# Allegro board meta_carrier_lay_rev1.brd (continued)
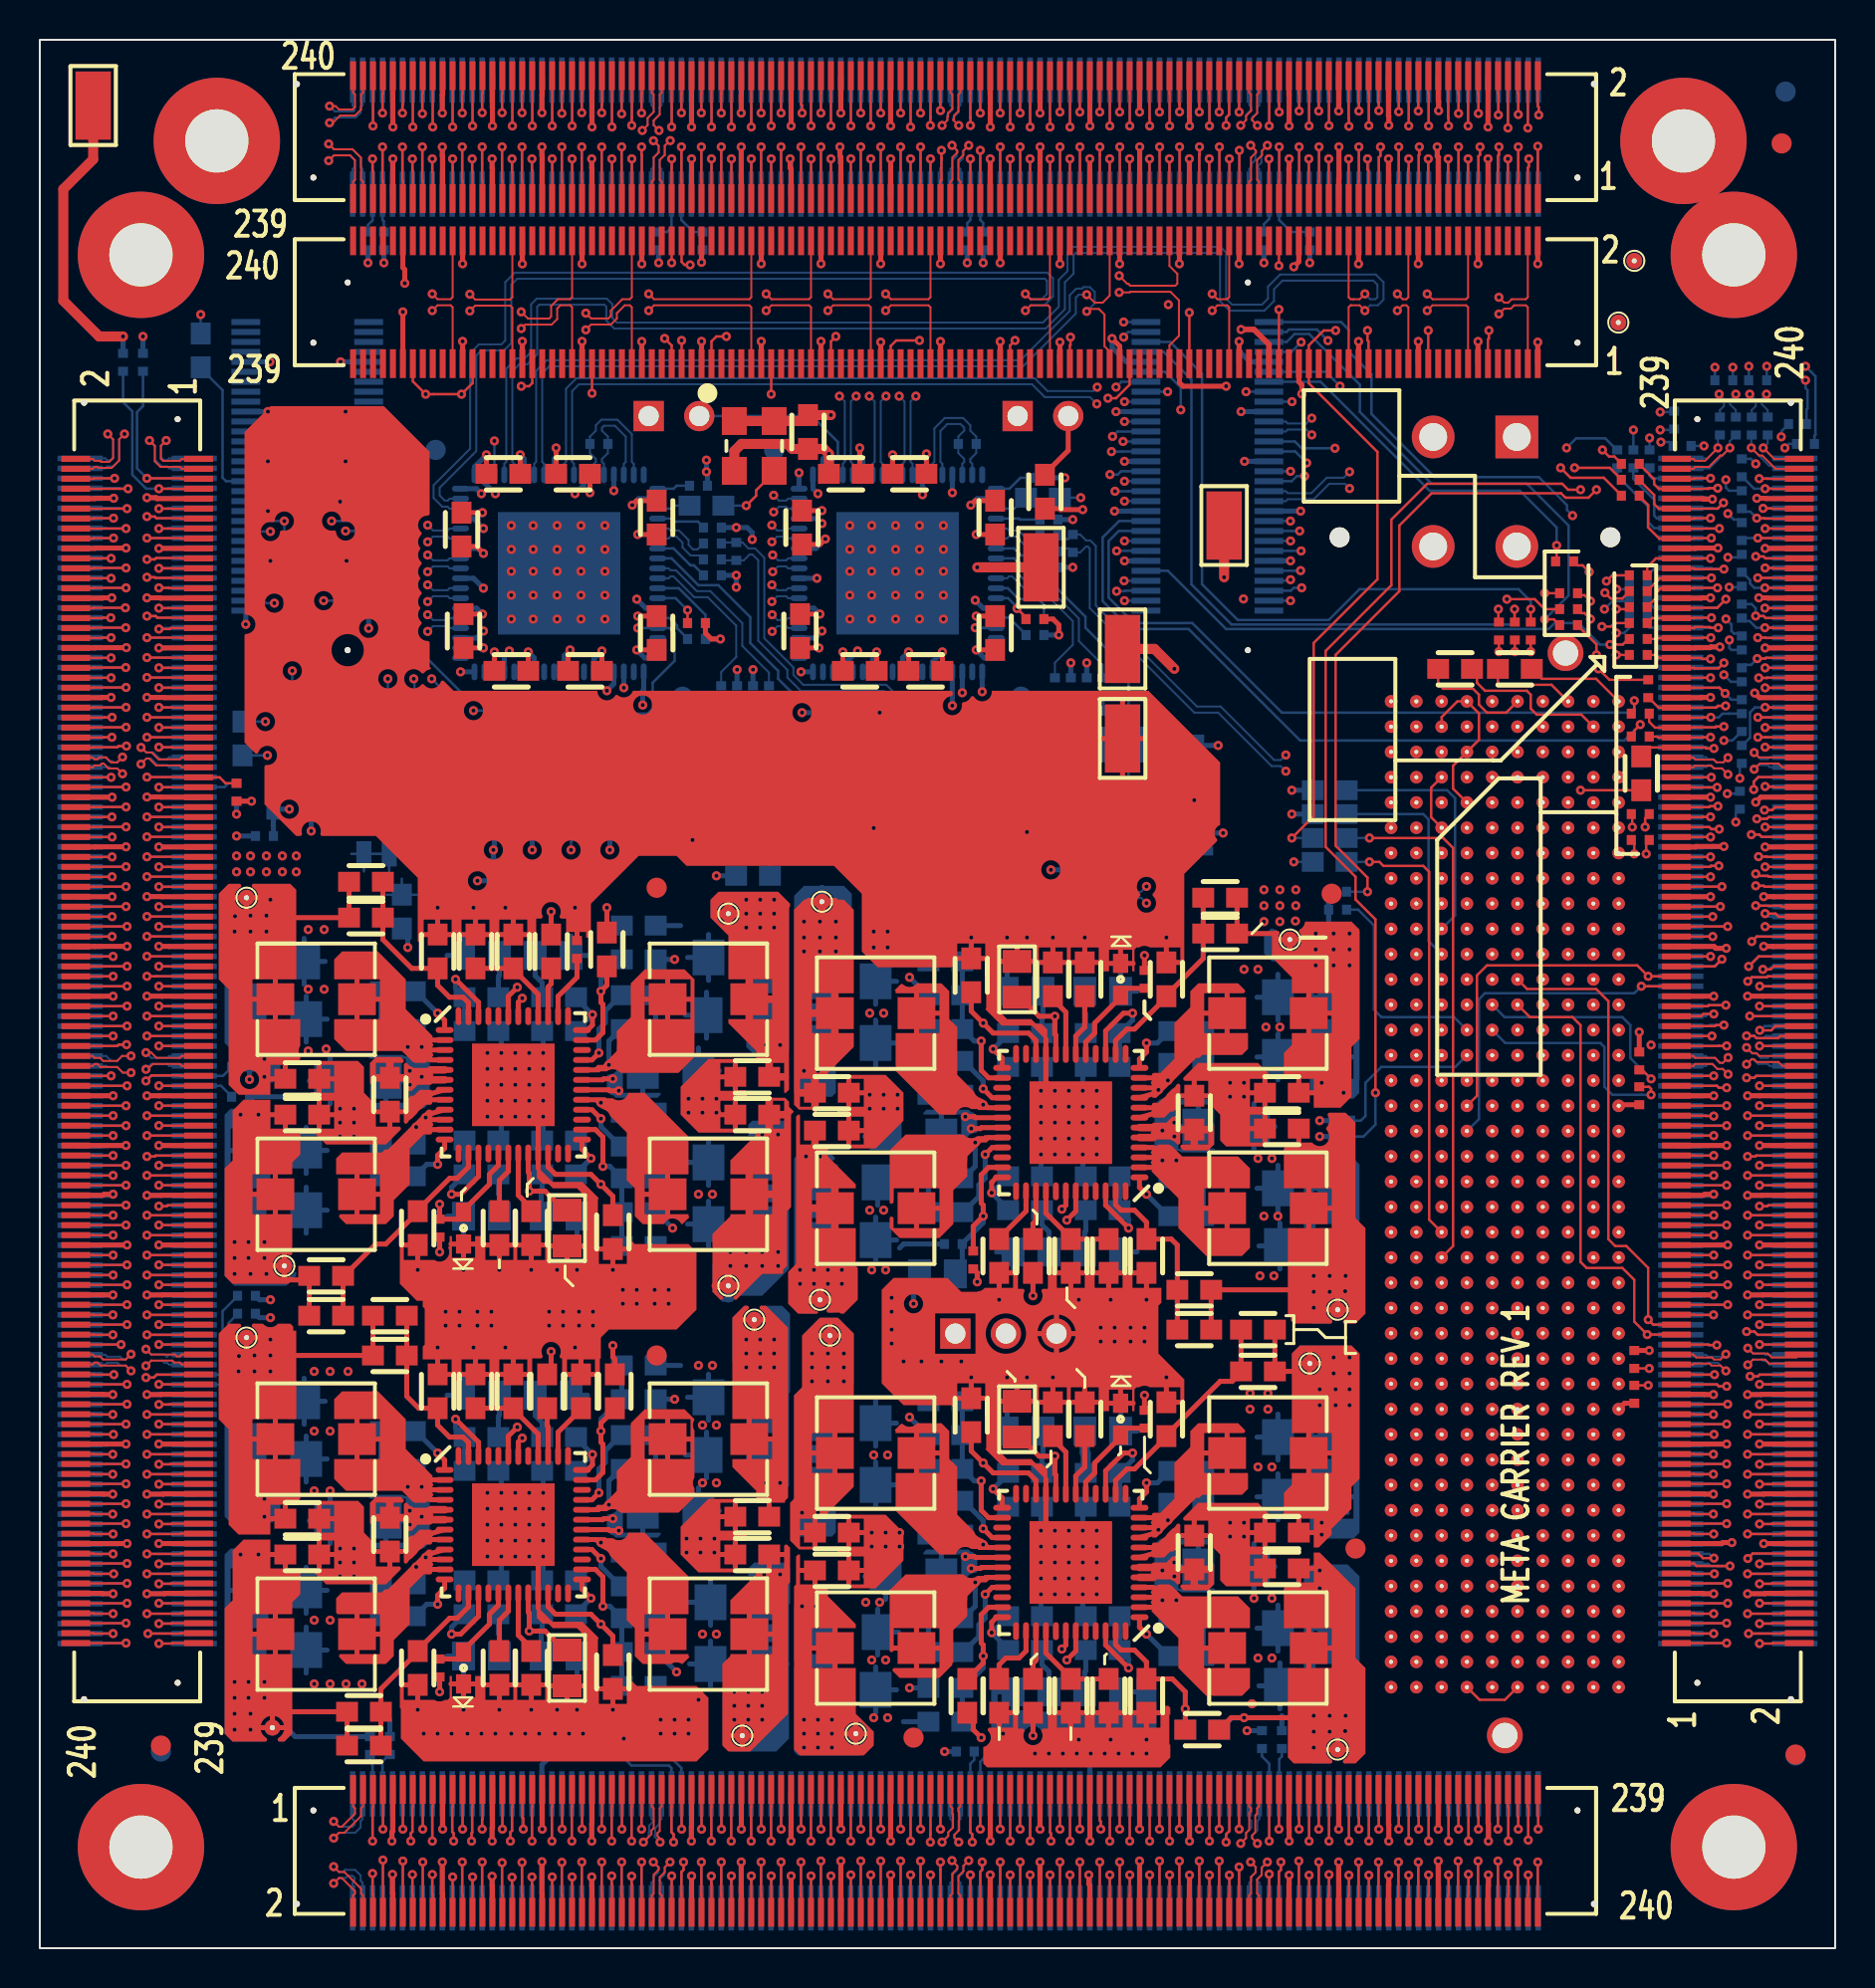
[diagram p0: board, top side]
## Routing (per net, layer and track width the routed paths; a pad name or vN(x,y) marks a point on that pad's centre or on a via; arc(x,y) is an arc through that point) (continued)
  BOTTOM w0.102: J6.178 86.88,59.34 86.78,59.44 86.29,59.44 86.1,59.25 v1(86.1,59.23)
EA_LCLK_OUT_P2: length 52.4
  TOP w0.102: v1(85.72,44.41) 85.96,44.65 86.11,44.65 86.23,44.53 87.32,44.53 87.52,44.33 J4.118
  SIGNAL_L3 w0.081: v1(85.72,44.41) 86.02,44.71 86.62,44.71 86.67,44.65 87.28,44.05 87.28,20.88 87.28,20.04 87.28,20.04 87.28,15.01 87.09,14.82 86.75,14.48 84.38,14.48 83.98,14.88 81.75,14.88 81.48,15.15 81.48,17.18 81.26,17.4 74.69,17.4 P1.F4
  BOTTOM w0.102: v1(85.72,44.41) 85.99,44.68 86.05,44.68 86.3,44.43 86.78,44.43 86.88,44.33 J6.118
EA_LCLK_OUT_P3: length 5.4
  TOP w0.102: J4.58 88.32,29.38 86.85,29.38 86.65,29.58 86.05,29.58 v1(85.78,29.31)
  BOTTOM w0.102: v1(85.78,29.31) 86.05,29.58 86.48,29.58 86.54,29.51 86.69,29.51 86.88,29.32 J6.58
EA_WAIT_RD_IN_N0: length 9
  TOP w0.127: J4.226 v1(86.65,71.33)
  SIGNAL_L5 w0.083: v1(87.46,75.94) 87.08,75.56 87.08,71.76 v1(86.65,71.33)
  BOTTOM w0.127: v1(86.65,71.33) 86.82,71.33 86.84,71.35 J6.226 ; v1(87.46,75.94) 87.48,75.94 87.48,76.23 R174.2
EA_WAIT_RD_IN_N1: length 40.6
  TOP w0.127: J4.166 v1(86.65,56.33)
  SIGNAL_L5 w0.083: 70.41,30.9 71.03,31.52 71.03,35.98 71.73,36.68 79.58,36.68 81.48,38.58 81.48,45.88 85.14,49.54 85.14,51.58 84.98,51.74 84.98,55.49 85.81,56.32 85.86,56.32 85.87,56.33 v1(86.65,56.33)
  BOTTOM w0.127: J6.166 86.85,56.34 86.84,56.33 v1(86.65,56.33)
EA_WAIT_RD_IN_N2: length 20.7
  TOP w0.127: J4.106 v1(86.37,41.33)
  SIGNAL_L3 w0.083: v1(86.37,41.33) 85.73,41.33 85.18,40.78 85.18,32.21 82.59,29.62 P1.K14
  BOTTOM w0.127: v1(86.37,41.33) 86.84,41.33 86.84,41.33 J6.106
EA_WAIT_RD_IN_N3: length 3.8
  TOP w0.127: J4.46 v1(86.37,26.33)
  BOTTOM w0.127: J6.46 86.84,26.32 86.83,26.33 v1(86.37,26.33)
EA_WAIT_RD_IN_P0: length 4.8
  TOP w0.127: J4.224 87.48,70.83 87.46,70.85 v1(86.28,70.85)
  BOTTOM w0.127: J6.224 v1(86.28,70.85) 85.6,70.85 R175.2
EA_WAIT_RD_IN_P1: length 42
  TOP w0.127: J4.164 87.48,55.83 87.47,55.84 86.48,55.84 86.37,55.95 v1(85.96,55.95)
  SIGNAL_L5 w0.083: P1.C14 71.08,30.3 71.08,31.08 71.38,31.38 71.78,31.38 72.28,31.88 72.28,34.78 72.98,35.48 79.68,35.48 81.89,37.69 81.89,45.64 83.67,47.42 84.19,47.42 84.81,48.05 84.81,48.54 85.32,49.05 85.32,51.68 85.18,51.82 85.18,55.17 v1(85.96,55.95)
  BOTTOM w0.127: J6.164 86.47,55.84 86.35,55.95 v1(85.96,55.95)
EA_WAIT_RD_IN_P2: length 21.4
  TOP w0.127: v1(85.77,40.83) 87.48,40.83 87.48,40.83 J4.104
  SIGNAL_L5 w0.083: v1(85.77,40.83) 85.38,40.44 85.38,32.28 82.6,29.5 80.46,29.5 79.76,28.8 79.74,28.8 P1.K13
  BOTTOM w0.127: J6.104 v1(85.77,40.83)
EA_WAIT_RD_IN_P3: length 5
  TOP w0.127: v1(85.77,25.82) 87.46,25.82 87.48,25.83 J4.44
  BOTTOM w0.127: J6.44 v1(85.77,25.82)
EA_WAIT_RD_OUT_N0: length 9.2
  TOP w0.127: J4.225 v1(84.35,71.33)
  BOTTOM w0.127: v1(84.35,71.33) 83.74,71.33 83.72,71.35 J6.225 81.08,71.35 80.78,71.65 80.78,72.43 80.77,72.43 80.77,72.44 80.54,72.67 80.53,72.67 79.22,73.98 R166.1
EA_WAIT_RD_OUT_N1: length 24.8
  TOP w0.127: v1(84.35,56.23) 83.95,56.23 83.85,56.33 J4.165
  SIGNAL_L5 w0.083: P1.C27 71.08,46.81 71.08,50 71.66,50.58 75.9,50.58 76.08,50.76 77.08,50.76 77.48,51.16 77.48,51.48 77.88,51.88 78.48,51.88 78.68,52.08 78.68,52.78 79.08,53.18 80.48,53.18 83.38,56.08 83.38,56.14 83.46,56.23 v1(84.35,56.23)
  BOTTOM w0.127: J6.165 83.84,56.34 83.95,56.23 v1(84.35,56.23)
EA_WAIT_RD_OUT_N2: length 23.7
  TOP w0.127: v1(84.72,41.33) 83.08,41.33 83.08,41.33 J4.105
  SIGNAL_L12 w0.083: P1.K32 80.58,51.2 84.36,51.2 84.67,50.89 84.97,50.89 86.18,49.68 86.78,49.68 87.12,49.34 87.12,42.42 86.4,41.7 86.2,41.7 85.83,41.33 v1(84.72,41.33)
  BOTTOM w0.127: J6.105 v1(84.72,41.33)
EA_WAIT_RD_OUT_N3: length 4.8
  TOP w0.127: J4.45 v1(84.72,26.33)
  BOTTOM w0.127: J6.45 83.72,26.32 83.73,26.33 v1(84.72,26.33)
EA_WAIT_RD_OUT_P0: length 6.7
  TOP w0.127: R168.1 80.33,72.96 80.77,72.52 80.77,71.39 81.33,70.83 J4.223 83.08,70.83 83.1,70.85 v1(83.95,70.85)
  BOTTOM w0.127: J6.223 v1(83.95,70.85)
EA_WAIT_RD_OUT_P1: length 22.8
  TOP w0.127: J4.163 v1(83.91,55.83)
  SIGNAL_L5 w0.083: v1(83.91,55.83) 83.54,55.83 79.59,51.88 79.08,51.88 78.78,51.58 78.78,51.28 77.98,50.48 76.64,50.48 76.18,50.02 76.18,49.7 75.86,49.38 72.88,49.38 72.28,48.78 72.28,47.36 71.87,46.95 71.84,46.95 71.07,46.18 71.07,45.53 P1.C26
  BOTTOM w0.127: J6.163 83.72,55.84 83.72,55.83 v1(83.91,55.83)
EA_WAIT_RD_OUT_P2: length 21.6
  TOP w0.127: v1(84.07,40.83) 83.08,40.83 83.08,40.83 J4.103
  SIGNAL_L12 w0.083: v1(84.07,40.83) 84.07,41.2 84.57,41.7 84.57,41.7 84.66,41.78 84.96,41.78 85.46,42.28 85.78,42.28 86.2,42.7 86.4,42.7 86.93,43.23 86.93,48.43 86.58,48.78 86.18,48.78 86.01,48.95 84.07,48.95 82.3,50.72 79.79,50.72 P1.K31
  BOTTOM w0.127: J6.103 v1(84.07,40.83)
EA_WAIT_RD_OUT_P3: length 3.6
  TOP w0.127: v1(84.08,25.82) 83.1,25.82 83.08,25.83 J4.43
  BOTTOM w0.127: J6.43 v1(84.08,25.82)
EA_WAIT_WR_IN_N0: length 7.6
  TOP w0.127: v1(86.55,72.34) 86.96,72.34 86.97,72.33 J4.230
  SIGNAL_L3 w0.083: v1(87.64,75.38) 87.64,73.44 v1(86.55,72.34)
  BOTTOM w0.127: J6.230 86.61,72.35 86.58,72.32 86.54,72.32 86.54,72.34 v1(86.55,72.34) ; R169.2 87.84,75.58 v1(87.64,75.38)
EA_WAIT_WR_IN_N1: length 37
  TOP w0.127: v1(86.62,57.19) 87.01,57.19 87.16,57.33 J4.170
  SIGNAL_L3 w0.083: 76.75,33.44 75.98,34.21 75.98,55.3 76.45,55.78 83.03,55.78 83.64,56.39 83.98,56.39 84.78,57.19 v1(86.62,57.19)
  BOTTOM w0.127: v1(86.62,57.19) 86.98,57.19 87.12,57.33 88.13,57.33 J6.170
EA_WAIT_WR_IN_N2: length 22.4
  TOP w0.127: J4.110 v1(86.37,42.33)
  SIGNAL_L5 w0.083: P1.J13 78.84,29.17 79.49,29.17 80.08,29.76 80.08,30.71 80.58,31.2 80.6,31.2 80.61,31.21 81.09,31.21 83.48,33.59 83.48,39.88 84.06,40.46 84.22,40.46 84.72,40.96 84.87,40.96 85.4,41.48 85.4,41.98 85.69,42.27 86.31,42.27 v1(86.37,42.33)
  BOTTOM w0.127: v1(86.37,42.33) 86.84,42.33 86.84,42.33 J6.110
EA_WAIT_WR_IN_N3: length 3.8
  TOP w0.127: v1(86.37,27.32) 86.9,27.32 86.91,27.33 J4.50
  BOTTOM w0.127: v1(86.37,27.32) J6.50
EA_WAIT_WR_IN_P0: length 5
  TOP w0.127: J4.228 86.64,71.83 86.62,71.85 v1(86.23,71.85)
  BOTTOM w0.127: R171.2 85.63,72.18 85.9,72.18 v1(86.23,71.85) J6.228
EA_WAIT_WR_IN_P1: length 39.2
  TOP w0.127: v1(86.23,56.74) 86.63,56.74 86.64,56.76 86.75,56.76 86.83,56.83 J4.168
  SIGNAL_L3 w0.083: v1(86.23,56.74) 85.81,56.32 85.81,56.32 85.18,55.69 85.18,55.34 84.83,54.98 84.27,54.98 83.77,55.48 76.56,55.48 76.28,55.2 76.28,34.48 76.68,34.08 76.98,34.08 77.28,33.78 77.28,32.69 P1.H16
  BOTTOM w0.127: v1(86.23,56.74) 86.75,56.74 86.84,56.84 J6.168
EA_WAIT_WR_IN_P2: length 23.7
  TOP w0.127: J4.108 87.48,41.83 87.48,41.83 v1(85.77,41.83)
  SIGNAL_L5 w0.083: P1.J12 78.48,27.54 78.48,28.28 79.18,28.98 79.68,28.98 80.28,29.58 80.28,30.01 80.68,30.4 80.97,30.4 83.69,33.12 83.69,39.09 83.92,39.32 84.18,39.32 84.69,39.83 85.01,39.83 85.12,39.93 85.12,40.7 85.77,41.35 v1(85.77,41.83)
  BOTTOM w0.127: J6.108 v1(85.77,41.83)
EA_WAIT_WR_IN_P3: length 5
  TOP w0.127: v1(85.77,26.82) 87.46,26.82 87.48,26.83 J4.48
  BOTTOM w0.127: J6.48 v1(85.77,26.82)
EA_WAIT_WR_OUT_N0: length 7.5
  TOP w0.127: v1(84.56,72.63) 84.27,72.33 J4.229 81.31,72.33 81.08,72.56 81.08,73.01 80.33,73.76 R165.2
  BOTTOM w0.127: J6.229 84.01,72.35 84.01,72.35 84.28,72.35 v1(84.56,72.63)
EA_WAIT_WR_OUT_N1: length 14.1
  TOP w0.127: J4.169 83.84,57.33 83.89,57.38 v1(84.28,57.38)
  SIGNAL_L5 w0.083: v1(84.28,57.38) 83.91,57.38 83.91,57.38 83.61,57.38 80.71,54.48 77.78,54.48 77.28,53.98 77.28,53.01 P1.H32
  BOTTOM w0.127: v1(84.28,57.38) 83.88,57.38 83.84,57.34 83.83,57.34 83.83,57.34 J6.169
EA_WAIT_WR_OUT_N2: length 21.2
  TOP w0.127: v1(84.72,42.33) 83.08,42.33 83.08,42.33 J4.109
  SIGNAL_L12 w0.083: P1.J31 78.72,50.52 82.07,50.52 83.82,48.76 84.9,48.76 85.46,48.2 85.92,48.2 86.35,47.78 86.58,47.78 86.75,47.61 86.75,44.25 85.86,43.36 85.75,43.36 v1(84.72,42.33)
  BOTTOM w0.127: J6.109 v1(84.72,42.33)
EA_WAIT_WR_OUT_N3: length 4.9
  TOP w0.127: J4.49 v1(84.77,27.33)
  BOTTOM w0.127: J6.49 83.72,27.32 83.73,27.33 v1(84.77,27.33)
EA_WAIT_WR_OUT_P0: length 7.4
  TOP w0.127: J4.227 83.08,71.83 83.1,71.85 v1(83.91,71.85)
  BOTTOM w0.127: R167.2 80.04,73.82 81.08,72.78 81.08,71.98 81.21,71.85 J6.227 v1(83.91,71.85)
EA_WAIT_WR_OUT_P1: length 13.5
  TOP w0.127: v1(83.91,56.84) 83.52,56.84 83.51,56.83 J4.167
  SIGNAL_L5 w0.083: P1.H31 77.38,51.84 77.38,52.78 77.68,53.08 78.28,53.08 78.68,53.48 78.68,53.98 78.98,54.28 80.98,54.28 83.54,56.84 v1(83.91,56.84)
  BOTTOM w0.127: v1(83.91,56.84) J6.167
EA_WAIT_WR_OUT_P2: length 18.4
  TOP w0.127: J4.107 83.65,41.83 83.68,41.81 v1(84.07,41.81)
  SIGNAL_L12 w0.083: P1.J30 78.54,49.43 82.65,49.43 83.69,48.39 84.67,48.39 85.28,47.78 85.28,43.18 84.96,42.86 84.63,42.86 84.07,42.3 v1(84.07,41.81)
  BOTTOM w0.127: v1(84.07,41.81) 84.05,41.83 83.72,41.83 83.72,41.83 J6.107
EA_WAIT_WR_OUT_P3: length 3.5
  TOP w0.127: J4.47 83.08,26.83 83.1,26.82 v1(84.06,26.82)
  BOTTOM w0.127: J6.47 v1(84.06,26.82)
EEPROM_SEL: length 22.8
  SIGNAL_L3 w0.127: J13.2 31.82,78.28 28.78,78.28 27.78,77.28 24.38,77.28 v1(22.83,75.73)
  BOTTOM w0.127: U7.57 39.83,74.72 40.02,74.92 40.02,74.92 40.08,74.98 40.08,75.68 38.78,76.98 J13.2 ; U10.57 v1(22.83,75.73)
FAN: length 18.1
  TOP w0.254: J9.2 51.65,75.25 50.48,74.08 R1.2
  TOP w0.283: J2.55 61.73,80.58 60.98,81.33 v1(60.33,81.33)
  SIGNAL_L5 w0.283: J9.2 53.53,76.98 54.28,76.23 54.67,76.23 55.75,77.32 55.75,78.79 58.29,81.33 v1(60.33,81.33)
FMC_3P3V: length 8.2
  TOP w0.127: P1.C39 70.41,61.86 71.19,62.64 P1.D40 72.28,62.04 72.28,60.71 P1.D38 70.98,59.41 70.98,58.26 P1.D36
FMC_12P0V: length 3
  TOP w0.127: 70.41,56.3 69.88,56.82 69.88,58.31 70.41,58.84
FMC_VADJ: length 15.8
  TOP w0.127: P1.F40 73.65,62.08 72.68,62.08 72.28,62.48 72.28,62.98 71.98,63.28 70.48,63.28 70.23,63.53 R4.1 ; R2.1 73.23,63.62 73.37,63.48 75.92,63.48 P1.H40
  SIGNAL_L3 w0.127: P1.H40 P1.G39 P1.F40 P1.E39
LDO_DIV_M1_CLOCK: length 1.9
  BOTTOM w0.127: U7.14 48.05,66.85 48.68,66.85 49.53,66 C104.1
LDO_DIV_M1_CLOCK1: length 2
  BOTTOM w0.127: U10.14 31.63,66.83 32.01,66.45 32.01,66.32 32.53,65.8 C149.1
LDO_PLL1_CLOCK: length 1.9
  BOTTOM w0.127: C102.1 49.25,73.88 48.7,73.33 U7.1
LDO_PLL1_CLOCK1: length 1.7
  BOTTOM w0.127: U10.1 31.83,73.33 31.98,73.48 C147.1
LDO_VCO_CLOCK: length 2.7
  TOP w0.127: C10.1 49.53,66.86 v1(49.08,67.31)
  BOTTOM w0.127: C10.1 49.53,66.86 v1(49.08,67.31) 49.08,67.38 48.63,67.83 U7.12
LDO_VCO_CLOCK1: length 3
  TOP w0.127: v1(32.53,67.23) C11.1
  BOTTOM w0.127: U10.12 31.93,67.83 v1(32.53,67.23) C11.1
LF1_EXT_CAP_CLOCK: length 2.6
  BOTTOM w0.127: C101.1 50.23,69.4 49.65,69.98 49.28,69.98 48.93,70.33 U7.7
LF1_EXT_CAP_CLOCK1: length 2.9
  BOTTOM w0.127: U10.7 31.83,70.33 32.68,69.48 32.85,69.48 33.33,69 C146.1
LF2_EXT_CAP_CLOCK: length 3.5
  BOTTOM w0.127: C103.1 50.43,67.5 50.15,67.78 49.17,67.78 48.62,68.33 U7.11
LF2_EXT_CAP_CLOCK1: length 3.4
  BOTTOM w0.127: U10.11 32.09,68.33 33.43,66.99 C148.1
MVDD: length 20
  TOP w0.127: J2.53 v1(62.23,82.33)
  SIGNAL_L5 w0.127: v1(62.23,82.33) 62.75,81.81 72.95,81.81 73.08,81.68 TP2.1
MVSS: length 19.8
  TOP w0.127: J2.54 v1(62.23,84.53)
  SIGNAL_L5 w0.127: v1(62.23,84.53) 63.18,85.48 79.38,85.48 TP1.1
N7653540_Q1: length 1.9
  BOTTOM w0.254: C174.2 R126.2
N7653540_Q2: length 1.9
  BOTTOM w0.254: C86.2 R59.2
N7653540_Q4: length 1.9
  BOTTOM w0.254: C176.2 R128.2
N7653540_Q8: length 1.9
  BOTTOM w0.254: C84.2 R57.2
N7661663_Q1: length 1.6
  BOTTOM w0.254: C175.2 R127.2
N7661663_Q2: length 1.6
  BOTTOM w0.254: C85.2 R58.2
N7661663_Q4: length 1.6
  BOTTOM w0.254: C177.2 R129.2
N7661663_Q8: length 1.6
  BOTTOM w0.254: C83.2 R56.2
N7662399_Q1: length 1.7
  BOTTOM w0.254: R102.2 C153.2
N7662399_Q2: length 1.7
  BOTTOM w0.254: R86.2 C117.2
N7662399_Q4: length 1.7
  BOTTOM w0.254: R108.2 C156.2
N7662399_Q8: length 1.7
  BOTTOM w0.254: R82.2 C114.2
N7663329_Q1: length 1.7
  BOTTOM w0.254: C152.2 R101.2
N7663329_Q2: length 1.7
  BOTTOM w0.254: C118.2 R87.2
N7663329_Q4: length 1.7
  BOTTOM w0.254: C155.2 R107.2
N7663329_Q8: length 1.7
  BOTTOM w0.254: C115.2 R83.2
N7676529_CLOCK: length 1.7
  BOTTOM w0.127: R69.2 49.48,72.88 48.93,72.33 U7.3
N7676529_CLOCK1: length 1.7
  BOTTOM w0.127: U10.3 31.73,72.33 31.88,72.48 R96.2
N7676769_Q1: length 2.1
  BOTTOM w0.254: C166.1 23.08,48.88 23.03,48.83 R121.1
N7676769_Q2: length 2.1
  BOTTOM w0.254: C95.1 52.48,13.88 52.53,13.93 R63.1
N7676769_Q4: length 2.1
  BOTTOM w0.254: C170.1 23.08,26.78 23.03,26.73 R123.1
N7676769_Q8: length 2.1
  BOTTOM w0.254: R61.1 52.53,36.03 52.48,35.98 C91.1
N7677954_Q1: length 2.1
  BOTTOM w0.254: R122.1 23.03,37.91 23.08,37.86 C169.1
N7677954_Q2: length 2.1
  BOTTOM w0.508: R62.1 52.53,24.85 52.48,24.9 C92.1
N7677954_Q4: length 2.1
  BOTTOM w0.254: R124.1 23.03,15.81 23.08,15.76 C173.1
N7677954_Q8: length 2.1
  BOTTOM w0.254: R60.1 52.53,46.95 52.48,47 C88.1
N7678257_Q1: length 2.1
  BOTTOM w0.254: C160.1 25.18,38.1 25.23,38.15 R116.1
N7678257_Q2: length 2.1
  BOTTOM w0.254: C110.1 50.38,24.66 50.33,24.61 R72.1
N7678257_Q4: length 2.1
  BOTTOM w0.254: R118.1 25.23,16.05 25.18,16 C163.1
N7678257_Q8: length 2.1
  BOTTOM w0.254: R70.1 50.33,46.71 50.38,46.76 C107.1
N7678567_Q1: length 2.2
  BOTTOM w0.254: R115.1 25.23,48.51 24.88,48.86 C164.1
N7678567_Q2: length 2.2
  BOTTOM w0.254: C106.1 50.68,13.9 50.33,14.25 R73.1
N7678567_Q4: length 2.2
  BOTTOM w0.254: C165.1 24.88,26.76 25.23,26.41 R117.1
N7678567_Q8: length 2.2
  BOTTOM w0.254: C105.1 50.68,36 50.33,36.35 R71.1
N7685377_CLOCK: length 1.9
  BOTTOM w0.127: R65.1 53.53,54.84 53.48,54.89 U6.2
N7685377_CLOCK1: length 1.8
  BOTTOM w0.127: R93.1 36.67,54.57 36.72,54.62 U8.2
N9391829_CLOCK: length 1.9
  BOTTOM w0.127: U6.1 56.96,56.08 57.01,56.03 R55.1
N9391829_CLOCK1: length 1.8
  BOTTOM w0.127: U8.1 40.66,55.68 40.71,55.63 R90.1
N9393456_CLOCK: length 2.3
  BOTTOM w0.127: C96.1 R66.2 52.58,62.23 R64.2 R68.1
N9393456_CLOCK1: length 2.4
  BOTTOM w0.127: C135.1 35.07,62.48 R95.1 R91.2 35.77,62.48 R92.2
NO_DATA_IN_N0: length 3.8
  TOP w0.127: v1(20.73,89.91) 20.73,87.91
  BOTTOM w0.127: J11.219 20.71,89.49 20.73,89.51 v1(20.73,89.91)
NO_DATA_IN_N1: length 3.8
  TOP w0.127: v1(21.72,89.91) 21.72,89.28 21.73,89.26 21.73,87.91
  BOTTOM w0.127: v1(21.72,89.91) 21.72,88.13
NO_DATA_IN_N2: length 5
  TOP w0.127: v1(23.22,90.5) 23.22,88.81 23.23,88.8 23.23,87.91
  BOTTOM w0.127: J11.209 v1(23.22,90.5)
NO_DATA_IN_N3: length 5
  TOP w0.127: 24.23,87.91 24.23,88.8 24.22,88.81 v1(24.22,90.5)
  BOTTOM w0.127: J11.205 v1(24.22,90.5)
NO_DATA_IN_N4: length 3.8
  TOP w0.127: v1(25.73,89.91) 25.73,87.91
  BOTTOM w0.127: v1(25.73,89.91) 25.73,89.45 25.72,89.43 J11.199
NO_DATA_IN_N5: length 3.8
  TOP w0.127: 26.73,87.91 v1(26.73,89.91)
  BOTTOM w0.127: v1(26.73,89.91) 26.73,89.44 26.72,89.43 J11.195
NO_DATA_IN_N6: length 5
  TOP w0.127: 28.23,87.91 28.23,88.8 28.22,88.81 v1(28.22,90.5)
  BOTTOM w0.127: J11.189 v1(28.22,90.5)
NO_DATA_IN_N7: length 5
  TOP w0.127: v1(29.22,90.5) 29.22,88.81 29.23,88.8 29.23,87.91
  BOTTOM w0.127: J11.185 v1(29.22,90.5)
NO_DATA_IN_N8: length 3.8
  TOP w0.127: v1(35.73,89.91) 35.73,87.91
  BOTTOM w0.127: J11.159 35.73,89.43 35.73,89.44 v1(35.73,89.91)
NO_DATA_IN_N9: length 3.8
  TOP w0.127: 36.73,87.91 v1(36.73,89.91)
  BOTTOM w0.127: J11.155 36.73,89.43 36.73,89.44 v1(36.73,89.91)
NO_DATA_IN_N10: length 5
  TOP w0.127: 38.23,87.91 38.23,88.8 38.23,88.8 v1(38.23,90.5)
  BOTTOM w0.127: J11.149 v1(38.23,90.5)
NO_DATA_IN_N11: length 5
  TOP w0.127: 39.23,87.91 39.23,88.8 39.23,88.8 v1(39.23,90.5)
  BOTTOM w0.127: J11.145 v1(39.23,90.5)
NO_DATA_IN_N12: length 3.8
  TOP w0.127: v1(40.73,89.91) 40.73,87.91
  BOTTOM w0.127: v1(40.73,89.91) 40.73,89.51 40.73,89.51 J11.139
NO_DATA_IN_N13: length 3.8
  TOP w0.127: 41.73,87.91 v1(41.73,89.91)
  BOTTOM w0.127: J11.135 41.73,89.43 41.73,89.43 v1(41.73,89.91)
NO_DATA_IN_N14: length 5
  TOP w0.127: v1(43.23,90.5) 43.23,88.8 43.23,88.8 43.23,87.91
  BOTTOM w0.127: 43.23,88.13 v1(43.23,90.5)
NO_DATA_IN_N15: length 5
  TOP w0.127: v1(44.23,90.5) 44.23,88.8 44.23,88.8 44.23,87.91
  BOTTOM w0.127: J11.125 v1(44.23,90.5)
NO_DATA_IN_N16: length 3.8
  TOP w0.127: v1(50.74,89.91) 50.74,88.8 50.73,88.8 50.73,87.91
  BOTTOM w0.127: v1(50.74,89.91) J11.99
NO_DATA_IN_N17: length 3.8
  TOP w0.127: 51.73,87.91 v1(51.73,89.91)
  BOTTOM w0.127: v1(51.73,89.91) 51.73,89.44 51.74,89.43 J11.95
NO_DATA_IN_N18: length 5
  TOP w0.127: 53.23,87.91 53.23,90.11 53.24,90.11 v1(53.24,90.5)
  BOTTOM w0.127: v1(53.24,90.5) J11.89
NO_DATA_IN_N19: length 5
  TOP w0.127: v1(54.24,90.5) 54.24,88.8 54.23,88.8 54.23,87.91
  BOTTOM w0.127: J11.85 v1(54.24,90.5)
NO_DATA_IN_N20: length 3.8
  TOP w0.127: v1(55.73,89.91) 55.73,87.91
  BOTTOM w0.127: v1(55.73,89.91) 55.73,89.51 55.74,89.5 J11.79
NO_DATA_IN_N21: length 3.8
  TOP w0.127: 56.73,87.91 v1(56.73,89.91)
  BOTTOM w0.127: v1(56.73,89.91) 56.73,89.44 56.74,89.43 J11.75
NO_DATA_IN_N22: length 5
  TOP w0.127: 58.23,87.91 58.23,90.1 58.24,90.11 v1(58.24,90.5)
  BOTTOM w0.127: v1(58.24,90.5) J11.69
NO_DATA_IN_N23: length 5
  TOP w0.127: 59.23,87.91 59.23,88.8 59.24,88.81 v1(59.24,90.5)
  BOTTOM w0.127: J11.65 v1(59.24,90.5)
NO_DATA_IN_N24: length 3.8
  TOP w0.127: v1(65.73,89.91) 65.73,87.91
  BOTTOM w0.127: J11.39 65.75,89.5 65.73,89.51 v1(65.73,89.91)
NO_DATA_IN_N25: length 3.8
  TOP w0.127: v1(66.68,89.91) 66.68,89.36 66.73,89.31 66.73,87.91
  BOTTOM w0.127: v1(66.68,89.91) 66.68,89.75 66.73,89.7 66.73,88.15 J11.35
NO_DATA_IN_N26: length 5
  TOP w0.127: v1(68.25,90.5) 68.25,88.81 68.23,88.8 68.23,87.91
  BOTTOM w0.127: J11.29 v1(68.25,90.5)
NO_DATA_IN_N27: length 5
  TOP w0.127: 69.23,87.91 69.23,88.8 69.25,88.81 69.25,90.08 69.28,90.11 v1(69.28,90.5)
  BOTTOM w0.127: v1(69.28,90.5) 69.28,90.11 69.25,90.08 69.25,88.13
NO_DATA_IN_N28: length 3.8
  TOP w0.127: v1(70.73,89.91) 70.73,87.91
  BOTTOM w0.127: v1(70.73,89.91) 70.73,89.51 70.75,89.49 J11.19
NO_DATA_IN_N29: length 3.8
  TOP w0.127: 71.73,87.91 v1(71.73,89.91)
  BOTTOM w0.127: J11.15 71.75,89.43 71.73,89.45 v1(71.73,89.91)
NO_DATA_IN_N30: length 5
  TOP w0.127: 73.23,87.91 73.23,90.06 73.28,90.11 v1(73.28,90.5)
  BOTTOM w0.127: J11.9 73.25,89.43 73.28,89.46 v1(73.28,90.5)
NO_DATA_IN_N31: length 5
  TOP w0.127: v1(74.26,90.5) 74.26,88.82 74.23,88.8 74.23,87.91
  BOTTOM w0.127: J11.5 v1(74.26,90.5)
NO_DATA_IN_P0: length 5
  TOP w0.127: v1(21.22,90.5) 21.22,88.81 21.23,88.8 21.23,87.91
  BOTTOM w0.127: J11.217 v1(21.22,90.5)
NO_DATA_IN_P1: length 5
  TOP w0.127: 22.23,87.91 22.23,88.8 22.22,88.81 v1(22.22,90.5)
  BOTTOM w0.127: J11.213 v1(22.22,90.5)
NO_DATA_IN_P2: length 3.8
  TOP w0.127: v1(23.72,89.91) 23.72,89.25 23.73,89.23 23.73,87.91
  BOTTOM w0.127: v1(23.72,89.91) J11.207
NO_DATA_IN_P3: length 3.8
  TOP w0.127: v1(24.72,89.91) 24.72,89.35 24.73,89.33 24.73,87.91
  BOTTOM w0.127: v1(24.72,89.91) J11.203
NO_DATA_IN_P4: length 5
  TOP w0.127: v1(26.22,90.5) 26.22,88.81 26.23,88.8 26.23,87.91
  BOTTOM w0.127: J11.197 v1(26.22,90.5)
NO_DATA_IN_P5: length 5
  TOP w0.127: v1(27.22,90.5) 27.22,88.81 27.23,88.8 27.23,87.91
  BOTTOM w0.127: J11.193 v1(27.22,90.5)
NO_DATA_IN_P6: length 3.8
  TOP w0.127: 28.73,87.91 v1(28.73,89.91)
  BOTTOM w0.127: v1(28.73,89.91) 28.73,89.44 28.72,89.43 J11.187
NO_DATA_IN_P7: length 3.8
  TOP w0.127: 29.73,87.91 v1(29.73,89.91)
  BOTTOM w0.127: v1(29.73,89.91) 29.73,89.44 29.72,89.43 J11.183
NO_DATA_IN_P8: length 5
  TOP w0.127: 36.23,87.91 36.23,88.8 36.23,88.8 v1(36.23,90.5)
  BOTTOM w0.127: J11.157 v1(36.23,90.5)
NO_DATA_IN_P9: length 5
  TOP w0.127: v1(37.23,90.5) 37.23,88.8 37.23,88.8 37.23,87.91
  BOTTOM w0.127: J11.153 v1(37.23,90.5)
NO_DATA_IN_P10: length 3.8
  TOP w0.127: 38.73,87.91 v1(38.73,89.91)
  BOTTOM w0.127: J11.147 38.73,89.43 38.73,89.44 v1(38.73,89.91)
NO_DATA_IN_P11: length 3.8
  TOP w0.127: 39.73,87.91 v1(39.73,89.91)
  BOTTOM w0.127: v1(39.73,89.91) 39.73,89.44 39.73,89.43 J11.143
NO_DATA_IN_P12: length 5
  TOP w0.127: 41.23,87.91 41.23,88.8 41.23,88.8 v1(41.23,90.5)
  BOTTOM w0.127: J11.137 v1(41.23,90.5)
NO_DATA_IN_P13: length 5
  TOP w0.127: 42.23,87.91 42.23,88.8 42.23,88.8 v1(42.23,90.5)
  BOTTOM w0.127: 42.23,88.13 v1(42.23,90.5)
NO_DATA_IN_P14: length 3.8
  TOP w0.127: 43.73,87.91 v1(43.73,89.91)
  BOTTOM w0.127: v1(43.73,89.91) 43.73,89.43 J11.127
NO_DATA_IN_P15: length 3.8
  TOP w0.127: 44.73,87.91 v1(44.73,89.91)
  BOTTOM w0.127: v1(44.73,89.91) 44.73,89.43 J11.123
NO_DATA_IN_P16: length 5
  TOP w0.127: v1(51.24,90.5) 51.24,88.8 51.23,88.8 51.23,87.91
  BOTTOM w0.127: J11.97 v1(51.24,90.5)
NO_DATA_IN_P17: length 5
  TOP w0.127: 52.23,87.91 52.23,88.8 52.24,88.8 v1(52.24,90.5)
  BOTTOM w0.127: J11.93 v1(52.24,90.5)
NO_DATA_IN_P18: length 3.8
  TOP w0.127: 53.73,87.91 v1(53.73,89.91)
  BOTTOM w0.127: v1(53.73,89.91) 53.73,89.44 53.74,89.43 J11.87
NO_DATA_IN_P19: length 3.8
  TOP w0.127: 54.73,87.91 v1(54.73,89.91)
  BOTTOM w0.127: v1(54.73,89.91) 54.73,89.44 54.74,89.43 J11.83
NO_DATA_IN_P20: length 5
  TOP w0.127: v1(56.24,90.5) 56.24,88.8 56.23,88.8 56.23,87.91
  BOTTOM w0.127: J11.77 v1(56.24,90.5)
NO_DATA_IN_P21: length 5
  TOP w0.127: 57.23,87.91 57.23,88.8 57.24,88.81 v1(57.24,90.5)
  BOTTOM w0.127: J11.73 v1(57.24,90.5)
NO_DATA_IN_P22: length 3.8
  TOP w0.127: 58.73,87.91 v1(58.73,89.91)
  BOTTOM w0.127: v1(58.73,89.91) 58.73,89.44 58.74,89.43 J11.67
NO_DATA_IN_P23: length 3.8
  TOP w0.127: v1(59.74,89.91) 59.74,88.81 59.73,88.8 59.73,87.91
  BOTTOM w0.127: J11.63 v1(59.74,89.91)
NO_DATA_IN_P24: length 5
  TOP w0.127: 66.23,87.91 66.23,88.8 66.25,88.81 v1(66.25,90.5)
  BOTTOM w0.127: J11.37 v1(66.25,90.5)
NO_DATA_IN_P25: length 5
  TOP w0.127: v1(67.33,90.5) 67.33,90.06 67.25,89.98 67.25,88.81 67.23,88.8 67.23,87.91
  BOTTOM w0.127: v1(67.33,90.5) 67.33,90.06 67.25,89.98 J11.33
NO_DATA_IN_P26: length 3.8
  TOP w0.127: v1(68.75,89.91) 68.75,89.41 68.73,89.39 68.73,87.91
  BOTTOM w0.127: v1(68.75,89.91) J11.27
NO_DATA_IN_P27: length 3.8
  TOP w0.127: 69.73,87.91 v1(69.73,89.91)
  BOTTOM w0.127: v1(69.73,89.91) 69.73,89.75 69.75,89.74 J11.23
NO_DATA_IN_P28: length 5
  TOP w0.127: v1(71.25,90.5) 71.25,88.82 71.23,88.8 71.23,87.91
  BOTTOM w0.127: J11.17 v1(71.25,90.5)
NO_DATA_IN_P29: length 5
  TOP w0.127: v1(72.33,90.5) 72.33,90.11 72.25,90.03 72.25,88.82 72.23,88.8 72.23,87.91
  BOTTOM w0.127: v1(72.33,90.5) 72.33,90.11 72.25,90.03 J11.13
NO_DATA_IN_P30: length 3.8
  TOP w0.127: 73.73,87.91 v1(73.73,89.91)
  BOTTOM w0.127: J11.7 73.75,89.43 73.73,89.45 v1(73.73,89.91)
NO_DATA_IN_P31: length 3.8
  TOP w0.127: 74.73,87.91 74.73,89.46 74.78,89.51 v1(74.78,89.91)
  BOTTOM w0.127: v1(74.78,89.91) 74.78,89.51 74.75,89.48 J11.3
NO_DATA_OUT_N0: length 4.9
  TOP w0.127: J1.220 v1(20.73,91.5)
  BOTTOM w0.127: J11.220 20.71,91.92 20.73,91.9 v1(20.73,91.5)
NO_DATA_OUT_N1: length 4.8
  TOP w0.127: J1.216 v1(21.73,91.55)
  BOTTOM w0.127: 21.72,93.86 21.72,92.56 21.73,92.54 v1(21.73,91.55)
NO_DATA_OUT_N2: length 3.5
  TOP w0.127: v1(23.22,92.22) 23.22,93.18 23.23,93.19 J1.210
  BOTTOM w0.127: J11.210 v1(23.22,92.22)
NO_DATA_OUT_N3: length 3.5
  TOP w0.127: J1.206 24.23,93.19 24.22,93.18 v1(24.22,92.22)
  BOTTOM w0.127: J11.206 v1(24.22,92.22)
NO_DATA_OUT_N4: length 4.8
  TOP w0.127: J1.200 v1(25.73,91.55)
  BOTTOM w0.127: v1(25.73,91.55) 25.73,91.95 25.72,91.96 J11.200
NO_DATA_OUT_N5: length 4.8
  TOP w0.127: J1.196 v1(26.73,91.55)
  BOTTOM w0.127: J11.196 26.72,92.56 26.73,92.55 v1(26.73,91.55)
NO_DATA_OUT_N6: length 3.5
  TOP w0.127: v1(28.22,92.22) 28.22,92.61 28.23,92.62 J1.190
  BOTTOM w0.127: J11.190 v1(28.22,92.22)
NO_DATA_OUT_N7: length 3.6
  TOP w0.127: J1.186 29.23,93.19 29.22,93.18 v1(29.22,92.17)
  BOTTOM w0.127: J11.186 v1(29.22,92.17)
NO_DATA_OUT_N8: length 4.9
  TOP w0.127: J1.160 v1(35.73,91.5)
  BOTTOM w0.127: v1(35.73,91.5) 35.73,92.55 35.73,92.56 J11.160
NO_DATA_OUT_N9: length 4.8
  TOP w0.127: J1.156 v1(36.73,91.55)
  BOTTOM w0.127: J11.156 36.73,92.56 36.73,92.55 v1(36.73,91.55)
NO_DATA_OUT_N10: length 3.6
  TOP w0.127: J1.150 38.23,92.65 38.28,92.6 v1(38.28,92.2)
  BOTTOM w0.127: J11.150 38.23,92.26 v1(38.28,92.2)
NO_DATA_OUT_N11: length 3.5
  TOP w0.127: v1(39.23,92.2) 39.23,93.19 39.23,93.19 J1.146
  BOTTOM w0.127: J11.146 v1(39.23,92.2)
NO_DATA_OUT_N12: length 4.8
  TOP w0.127: J1.140 v1(40.73,91.55)
  BOTTOM w0.127: v1(40.73,91.55) 40.73,91.95 40.73,91.95 J11.140
NO_DATA_OUT_N13: length 4.8
  TOP w0.127: v1(41.73,91.55) 41.73,93.19 41.73,93.19 J1.136
  BOTTOM w0.127: J11.136 v1(41.73,91.55)
NO_DATA_OUT_N14: length 3.5
  TOP w0.127: v1(43.23,92.2) J1.130
  BOTTOM w0.127: 43.23,93.86 43.23,92.21 v1(43.23,92.2)
NO_DATA_OUT_N15: length 3.5
  TOP w0.127: J1.126 v1(44.23,92.2)
  BOTTOM w0.127: J11.126 44.23,92.56 44.23,92.56 v1(44.23,92.2)
NO_DATA_OUT_N16: length 4.9
  TOP w0.127: J1.100 50.73,91.9 50.74,91.9 v1(50.74,91.5)
  BOTTOM w0.127: J11.100 v1(50.74,91.5)
NO_DATA_OUT_N17: length 4.9
  TOP w0.127: J1.96 51.73,93.19 51.74,93.19 v1(51.74,91.5)
  BOTTOM w0.127: J11.96 v1(51.74,91.5)
NO_DATA_OUT_N18: length 3.4
  TOP w0.127: v1(53.23,92.25) J1.90
  BOTTOM w0.127: v1(53.23,92.25) 53.24,92.26 J11.90
NO_DATA_OUT_N19: length 3.4
  TOP w0.127: J1.86 v1(54.23,92.25)
  BOTTOM w0.127: J11.86 54.24,92.56 54.23,92.55 v1(54.23,92.25)
NO_DATA_OUT_N20: length 4.8
  TOP w0.127: v1(55.74,91.55) 55.74,91.95 55.73,91.96 J1.80
  BOTTOM w0.127: J11.80 v1(55.74,91.55)
